# Altium PCB PowerModul.PcbDoc (part 2 of 2)
Units mm, origin at the board's own origin, x right, y up, seen from the top; angles counter-clockwise.
Board outline 99.76 x 99.76 mm, 4 copper layers (Top Layer, Layer 1, Layer 2, Bottom Layer), stack 0.603 mm thick; 119 components, 43 nets, 313 pads, 976 vias.
Unrouted connection lines stored in the file: 3.
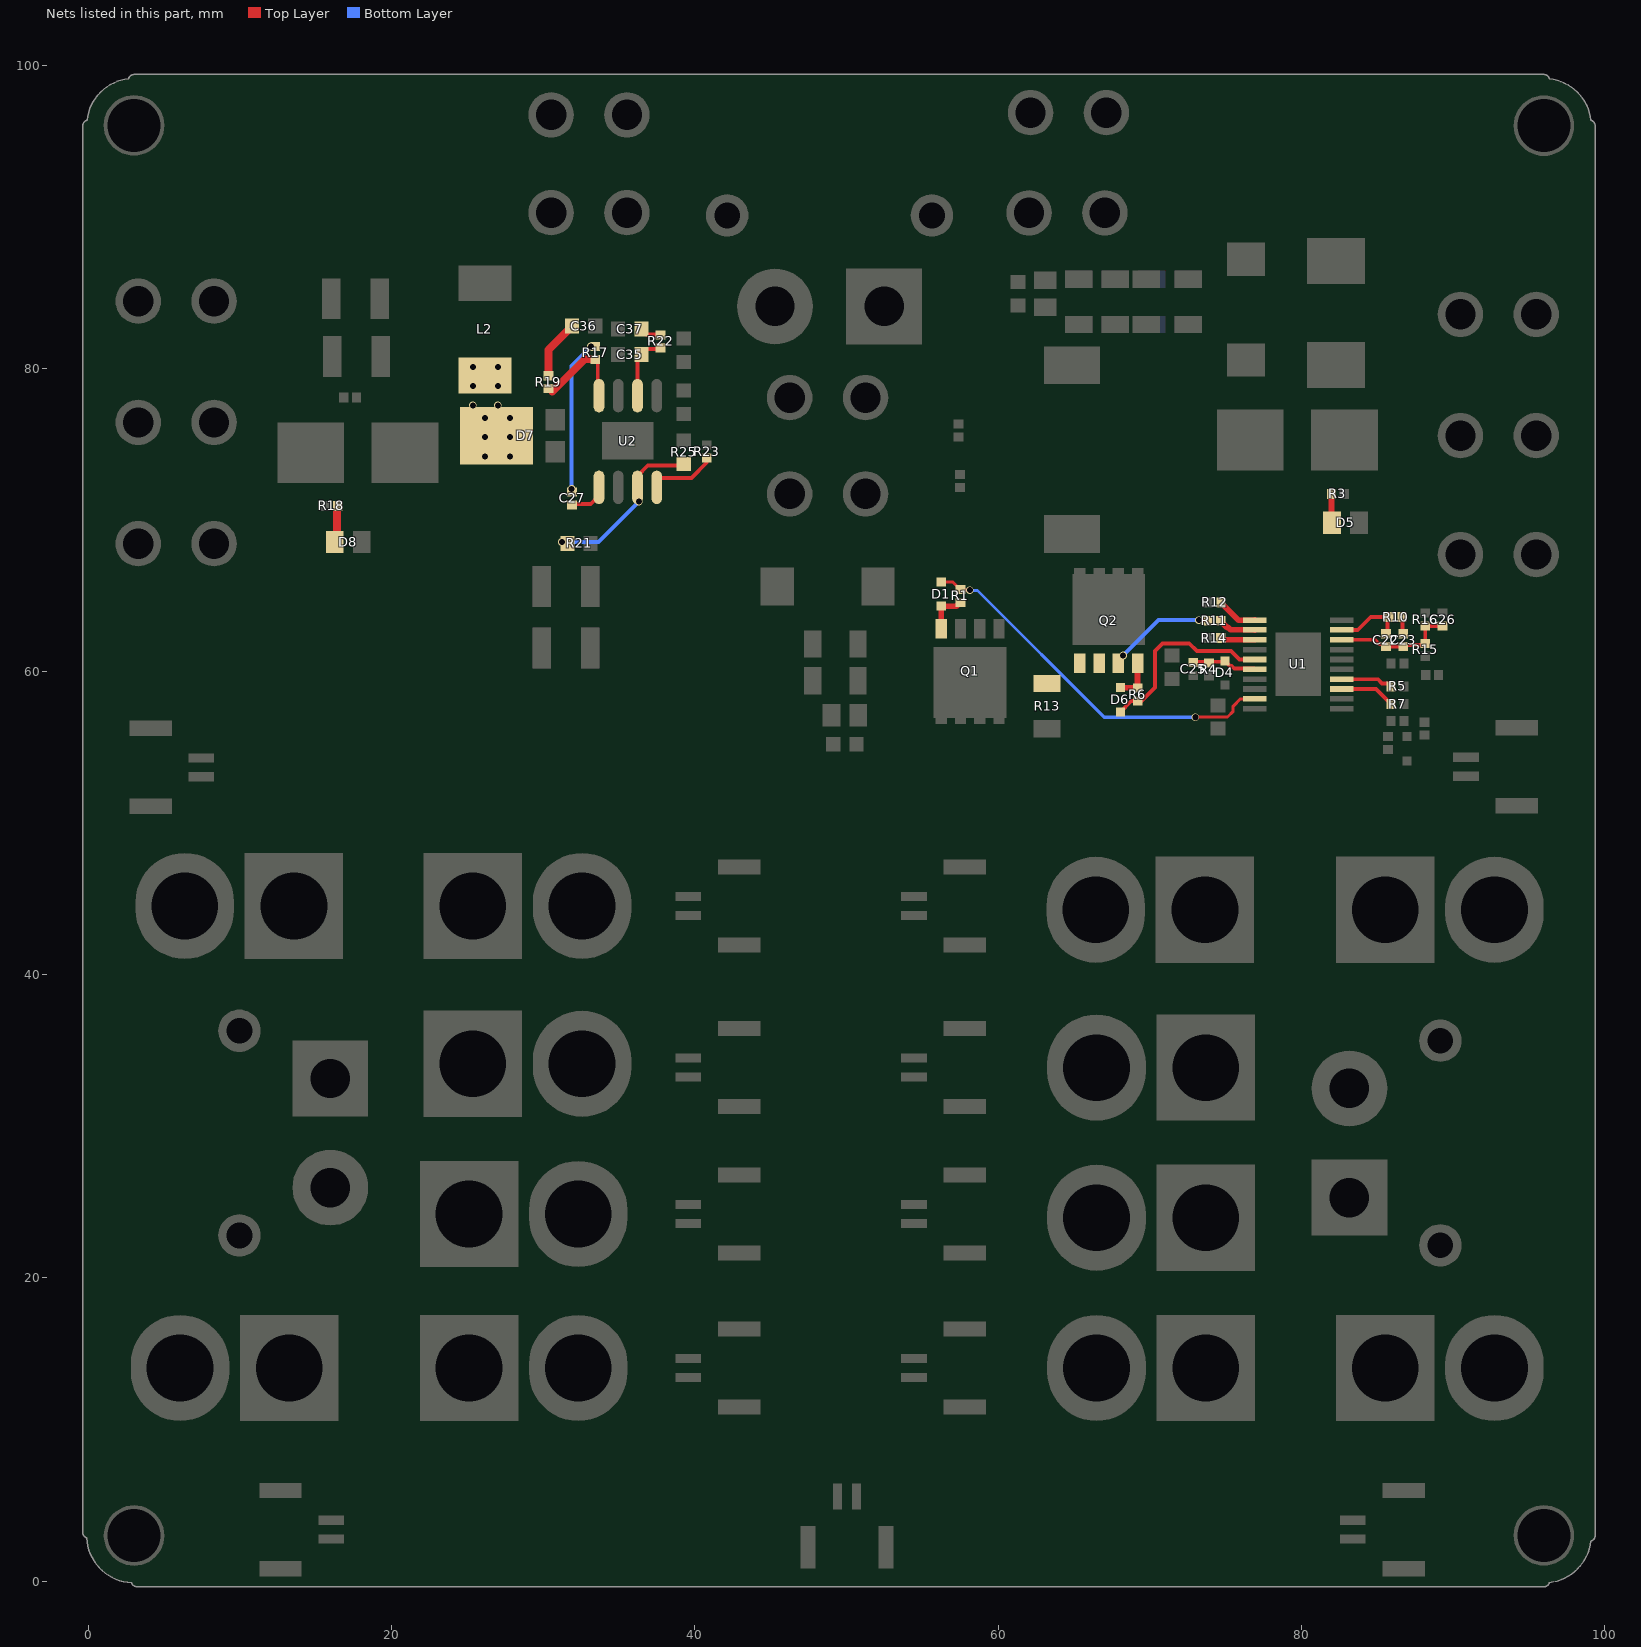
[diagram p4: the nets of this part, all layers, seen from the top]

## Via types
v1: diameter 0.5, hole 0.4, Top Layer to Bottom Layer, tented both sides, 976 vias

## Nets (pads, with @x,y where several pads share a name; then routed paths per layer and width w, separated by ;. In a path a pad name is that pad's centre, name@x,y a point inside that pad or via, vN(x,y) a via of type N, cw(c..) or ccw(c..) an arc to the next point about the centre after c; other vN are vias at no path point) (continued)
NetC22_1: C22.1 C23.1 C26.2 R15.2 R16.1 U1.8 | length 8.1
  Top Layer w0.254: U1.8@82.666,62.09 84.859,62.09 85.141,61.808 85.409,61.808 C22.1@85.582,61.635 C23.1@86.725,61.635 86.833,61.743 88.07,61.743 R15.2@88.178,61.85 R16.1@88.178,62.993 C26.2@89.321,62.993
NetC22_2: C22.2 R10.1 U1.9 | length 4.7
  Top Layer w0.254: U1.9@82.666,62.74 83.722,62.74 84.578,63.596 85.78,63.596 R10.1@85.792,63.584 85.687,63.479 85.687,62.59 C22.2@85.582,62.485
NetC23_2: C23.2 R10.2 | length 1.1
  Top Layer w0.254: R10.2@86.642,63.584 86.684,63.543 86.684,62.526 C23.2@86.725,62.485
NetC27_1: C27.1 R17.1 | length 9.9
  Bottom Layer w0.254: v1(31.861,72.045) 31.861,80.169 v1(33.131,81.439)
NetC27_2: C27.2 U2.1 | length 2.5
  Top Layer w0.254: C27.2@31.963,71.056 33.123,71.056 33.67,71.603 U2.1@33.67,72.147
NetC35_2: C35.2 R22.1 U2.6 | length 4.3
  Top Layer w0.254: U2.6@36.21,78.192 36.21,80.639 C35.2@36.472,80.901 36.472,80.926 36.81,81.264 37.643,81.264 R22.1@37.734,81.355
NetC36_2: C36.2 R19.2 | length 3.9
  Top Layer w0.508: R19.2@30.337,79.503 30.337,81.208 31.884,82.755 C36.2@31.884,82.78
NetC37_2: C37.2 R22.2 | length 1.4
  Top Layer w0.254: C37.2@36.472,82.586 36.472,82.561 36.81,82.223 37.716,82.223 R22.2@37.734,82.205
NetD1_1: D1.1 Q1.4 R1.1 | length 2.9
  Top Layer w0.381: Q1.4@56.245,62.822 D1.1@56.245,64.308 57.242,64.308 57.49,64.556 R1.1@57.515,64.556
NetD1_2: D1.2 R1.2 U1.19 | length 25.1
  Top Layer w0.203: D1.2@56.245,65.908 56.988,65.908 57.49,65.406 R1.2@57.515,65.406 57.537,65.384 58.111,65.384 v1(58.133,65.362) ; v1(73.009,56.98) 73.024,56.995 75.129,56.995 75.505,57.371 75.505,57.705 75.99,58.19 U1.19@76.926,58.19
  Bottom Layer w0.203: v1(58.133,65.362) 58.16,65.335 58.637,65.335 66.992,56.98 v1(73.009,56.98)
NetD5_A: D5.A R3.2 | length 1.9
  Top Layer w0.381: R3.2@81.982,71.712 81.982,69.85 D5.A@82.025,69.807
NetD6_1: D6.1 Q2.4 R6.1 | length 2.8
  Top Layer w0.381: D6.1@68.085,58.918 69.19,58.918 R6.1@69.199,58.909 ; Q2.4@69.199,60.536 R6.1@69.199,58.909 ; R6.1@69.209,58.899 R6.1@69.199,58.909
NetD6_2: D6.2 R6.2 U1.15 | length 12.6
  Top Layer w0.254: D6.2@68.066,57.337 68.778,58.049 R6.2@69.209,58.049 69.451,58.049 70.342,58.94 70.342,61.339 70.85,61.847 72.611,61.847 73.111,61.347 75.373,61.347 75.93,60.79 U1.15@76.926,60.79
NetD7_3: D7.3 L2.1 R17.2 R19.1 U2.8 | length 6.2
  Top Layer w0.254: R17.2@33.424,80.589 33.585,80.428 33.585,78.277 U2.8@33.67,78.192
  Top Layer w0.508: R19.1@30.591,78.443 32.737,80.589 R17.2@33.424,80.589
  other v1: 26.146,74.188 27.797,74.188 26.146,75.458 27.797,75.459 26.146,76.728 27.797,76.728 25.351,77.554 27.002,77.554 25.351,78.824 27.002,78.824 25.351,80.094 27.002,80.094
NetD8_A: D8.A R18.2 | length 5.6
  Top Layer w0.254: D8.A@16.245,68.537 16.245,68.228 16.015,67.998 D8.A@16.307,67.998 ; D8.A@16.44,68.738 R18.2@16.44,70.919
  Top Layer w0.508: D8.A@16.239,68.537 16.394,68.692 16.394,70.873 R18.2@16.44,70.919
NetQ2_1: Q2.1 Q2.2 Q2.3 R11.2 R13.1 | length 6.6
  Top Layer w0.254: v1(73.243,63.384) 73.262,63.364 73.814,63.364 R11.2@73.834,63.345
  Bottom Layer w0.254: v1(68.245,61.052) 70.577,63.384 v1(73.243,63.384)
NetR5_1: R5.1 U1.4 | length 3.5
  Top Layer w0.254: U1.4@82.666,59.49 85.037,59.49 85.317,59.21 85.746,59.21 85.919,59.037 R5.1@85.919,59.012
NetR7_2: R7.2 U1.3 | length 3.7
  Top Layer w0.254: U1.3@82.666,58.84 84.924,58.84 85.721,58.043 85.746,58.043 85.919,57.87 R7.2@85.919,57.845
NetR11_1: R11.1 U1.12 | length 2.5
  Top Layer w0.381: R11.1@74.684,63.345 74.684,63.32 75.083,62.921 75.147,62.921 75.321,62.746 76.919,62.746 U1.12@76.926,62.74
NetR12_2: R12.2 U1.11 | length 2.7
  Top Layer w0.381: R12.2@74.704,64.556 74.704,64.531 75.851,63.384 76.919,63.384 U1.11@76.926,63.39
NetR14_1: R14.1 U1.13 | length 2.3
  Top Layer w0.381: R14.1@74.684,62.202 74.789,62.096 76.919,62.096 U1.13@76.926,62.09
NetR21_1: R21.1 R25.2 U2.3 | length 9.6
  Top Layer w0.254: U2.3@36.21,72.897 36.89,73.577 39.147,73.577 R25.2@39.258,73.688
  Bottom Layer w0.254: v1(31.226,68.537) 33.639,68.537 v1(36.306,71.204)
NetR23_2: R23.2 U2.4 | length 4.5
  Top Layer w0.254: U2.4@37.48,72.147 37.48,72.564 37.686,72.77 39.761,72.77 40.782,73.79 R23.2@40.782,74.077
VCC: C25.2 D4.1 R4.2 U1.16 | length 4.3
  Top Layer w0.254: C25.2@72.874,60.58 72.934,60.64 74.892,60.64 D4.1@74.952,60.701 75.295,60.358 75.408,60.358 75.578,60.188 76.877,60.188 U1.16@76.926,60.14
pads on no net: H13.3 H13.4 H14.3 H14.4 H15.3 H15.4 H16.3 H16.4 H17.3 H17.4 H18.3 H18.4 H25.3 H25.4 H26.3 H26.4 H27.3 H27.4 H28.3 H28.4 H29.3 H29.4 H30.3 H30.4 H31.3 H31.4 H38.0 H39.0 H40.0

## Polygon pours and split planes (outlines as drawn)
GND1 on Top Layer "Top Layer-GND1" (solid, remove dead copper, pour order 162): 62.138,48.087 62.138,9.66 99.298,9.66 99.298,48.217
GND2 on Top Layer "Top Layer-GND2" (solid, remove dead copper, pour order 160): -0.622,48.725 36.854,48.725 36.854,8.466 -0.698,8.466
GND on Top Layer "Top Layer-GND 14" (solid, remove dead copper, pour order 156): 60.563,49.233 62.364,54.059 62.409,54.104 67.294,54.104 67.294,56.253 81.855,56.253 84.442,58.84 99.679,58.84 99.679,99.525 99.044,100.16 -0.778,100.16 -0.778,64.556 23.86,64.556 23.86,57.488 29.194,52.154 40.936,52.154 43.746,49.233
GND on Top Layer "Top Layer-GND 9" (solid, remove dead copper, pour order 154): 34.614,76.299 34.614,82.126 32.974,82.126 32.877,82.223 32.877,83.396 35.544,83.396 35.671,83.269 35.671,76.157
GND on Top Layer "Top Layer-GND 10" (solid, remove dead copper, pour order 152): 14.716,77.236 14.732,77.252 17.129,77.252 17.129,87.085 15.611,87.085 12.303,87.085 12.303,78.445
GND on Top Layer "Top Layer-GND 11" (solid, remove dead copper, pour order 150): 26.599,67.394 20.177,67.394 19.415,68.156 19.415,69.426 17.689,69.426 17.51,69.247 17.51,66.472 18.874,65.108 26.599,65.108
GND on Top Layer "Top Layer-GND 12" (solid, remove dead copper, pour order 144): 60.817,86.952 60.817,85.301 61.07,85.048 84.249,85.048 84.947,85.746 84.947,88.73 71.612,88.73 69.834,86.952
GND on Top Layer "Top Layer-GND 13" (solid, remove dead copper, pour order 142): 56.626,77.173 56.626,76.03 58.404,76.03 58.404,77.173
+24_1 on Top Layer "Top Layer-+24_1" (solid, remove dead copper, pour order 140): 69.58,47.582 69.58,9.863 69.707,9.736 89.773,9.736 89.773,46.756 88.567,47.963 69.624,47.963
+24_2 on Top Layer "Top Layer-+24_2" (solid, remove dead copper, pour order 138): 10.271,21.903 19.415,21.903 19.415,30.564 10.271,30.564 10.271,49.36 29.575,49.36 29.829,49.614 29.829,9.863 27.416,7.45 10.271,7.45
+5F on Top Layer "Top Layer-+5F" (solid, remove dead copper, pour order 136): 16.831,76.538 16.45,76.919 12.049,76.919 12.049,86.622 11.846,86.825 4.048,86.825 4.048,69.302 5.826,65.606 6.09,65.87 15.097,65.87 15.097,70.442 15.859,70.442 15.859,71.966 16.233,71.966 16.831,72.564
+5 on Top Layer "Top Layer-+5" (solid, remove dead copper, pour order 134): 17.383,71.902 17.383,87.714 19.542,89.873 27.035,89.873 27.924,88.984 27.924,84.412 24.51,84.412 24.368,84.554 24.368,86.19 22.803,86.19 22.844,86.149 22.844,77.3 23.479,76.665 23.479,71.902 17.604,71.902 17.541,71.839
no net on Top Layer "Top Layer-No Net" (solid, remove dead copper, pour order 132): 192.541,96.56
no net on Top Layer "Top Layer-No Net 10" (solid, remove dead copper, pour order 130): 192.922,96.623
NetD7_3 on Top Layer "Top Layer-NetD7_3" (solid, remove dead copper, pour order 128): 29.321,77.808 29.448,77.935 31.099,77.935 31.099,78.951 30.972,79.078 28.813,79.078
NetD7_3 on Top Layer "Top Layer-NetD7_3 1" (solid, remove dead copper, pour order 126): 24.145,73.145 24.145,80.633 24.241,80.729 27.924,80.729 27.924,79.078 28.813,79.078 29.321,78.57 29.321,73.145
GND on Top Layer "Top Layer-GND" (solid, remove dead copper, pour order 124): 30.21,73.79 30.083,73.917 30.083,77.3 32.639,77.3 33.512,76.427 34.147,76.427 34.147,73.998 34.02,73.871 30.21,73.871
GND on Top Layer "Top Layer-GND 2" (solid, remove dead copper, pour order 122): 31.48,66.886 30.972,67.394 26.527,67.394 26.4,67.267 26.4,57.383 31.48,57.383
+24 on Top Layer "Top Layer-+24" (solid, remove dead copper, pour order 120): 34.274,70.823 34.274,72.982 34.528,73.236 35.575,73.236 35.575,70.95 37.188,69.337 37.957,69.337 37.957,57.234 32.318,57.234 32.318,68.867
+24 on Top Layer "Top Layer-+24 1" (solid, remove dead copper, pour order 118): 50.022,81.554 50.022,89.939 58.647,100.16 50.276,100.16 65.135,100.16 65.135,88.349 64.5,87.714 61.198,87.714 55.102,81.618
GND on Top Layer "Top Layer-GND 4" (solid, remove dead copper, pour order 116): 86.471,60.917 87.36,60.917 87.36,61.347 89.469,61.347 89.646,61.17 89.646,59.393 88.876,59.393 88.757,59.512 88.757,60.358 87.538,60.358 87.487,60.409 87.218,60.14 86.471,60.14
GND on Top Layer "Top Layer-GND 5" (solid, remove dead copper, pour order 114): 86.471,58.19 86.471,56.345 88.503,56.345 88.63,56.472 88.63,57.759 88.167,58.222 88.135,58.19
GND on Top Layer "Top Layer-GND 6" (solid, remove dead copper, pour order 112): 43.212,56.853 45.679,56.853 48.092,54.44 49.514,54.44 49.514,86.571 43.212,86.571
GND on Top Layer "Top Layer-GND 7" (solid, remove dead copper, pour order 110): 62.214,57.337 66.669,57.337 66.669,55.329 62.214,55.329
+12F on Top Layer "Top Layer-+12F" (solid, remove dead copper, pour order 108): 80.629,77.427 80.629,73.236 81.391,73.236 82.534,72.093 82.534,70.985 84.277,70.985 84.952,70.31 84.952,64.727 93.075,64.727 93.329,64.981 93.329,85.936 85.962,85.936 85.074,85.048 85.074,77.427
+12 on Top Layer "Top Layer-+12" (solid, remove dead copper, pour order 106): 71.231,80.856 71.231,72.982 74.279,72.982 79.105,72.982 79.105,78.633 79.169,78.697 84.185,78.697 84.185,83.523 83.042,84.666 60.69,84.666 60.69,81.618 62.945,81.618 63.072,81.491 62.976,81.395 62.976,78.951 66.786,78.951 66.659,79.078 66.659,81.11 70.977,81.11
GND on Top Layer "Top Layer-GND 8" (solid, remove dead copper, pour order 104): 70.723,60.028 73.255,60.028 73.255,58.377 70.723,58.377
NetQ2_1 on Top Layer "Top Layer-NetQ2_1" (solid, remove dead copper, pour order 102): 61.205,57.869 65.933,57.869 67.675,59.662 68.437,59.662 68.437,61.298 64.373,61.298 63.992,61.679 61.205,61.679
NetC1_2 on Top Layer "Top Layer-NetC1_2" (solid, remove dead copper, pour order 100): 64.881,62.187 64.881,61.727 64.929,61.679 69.834,61.679 69.834,62.187 69.834,67.648 69.707,67.775 66.786,67.775 66.786,70.315 63.072,70.315 63.072,67.906 62.814,67.648 59.801,67.648 59.547,67.394 59.547,63.965 59.166,63.584 57.134,63.584 57.134,62.187
+24 on Top Layer "Top Layer-+24 2" (solid, remove dead copper, pour order 96): 49.895,86.444 49.895,54.948 50.149,54.694 53.984,54.694 55.737,56.447 60.528,56.447 60.563,56.412 60.69,56.539 60.69,61.552 55.737,61.552 55.737,86.444
no net on Top Layer "Top Layer-No Net 11" (solid, remove dead copper, pour order 92): 224.895,111.165
no net on Top Layer "Top Layer-No Net 12" (solid, remove dead copper, pour order 90): 225.149,79.415
GND on Top Layer "Top Layer-GND 1" (solid, remove dead copper, pour order 74): 78.399,63.596 81.32,63.596 81.32,56.782 78.399,56.782
no net on Top Layer "Top Layer-No Net 1" (solid, remove dead copper, pour order 72): 253.272,87.281
no net on Top Layer "Top Layer-No Net 3" (solid, remove dead copper, pour order 52): 253.272,87.281
no net on Top Layer "Top Layer-No Net 2" (solid, remove dead copper, pour order 58): 261.4,85.059
GND on Top Layer "Top Layer-GND 3" (solid, remove dead copper, pour order 50): 37.254,76.49 38.75,77.506 41.036,77.506 41.29,77.252 41.29,74.656 39.837,74.656 38.49,74.656 37.289,73.95
no net on Top Layer "Top Layer-No Net 4" (solid, remove dead copper, pour order 46): 210.575,103.243
no net on Top Layer "Top Layer-No Net 5" (solid, remove dead copper, pour order 44): 207.781,111.371
no net on Top Layer "Top Layer-No Net 6" (solid, remove dead copper, pour order 42): 210.448,101.211
no net on Top Layer "Top Layer-No Net 7" (solid, remove dead copper, pour order 32): 199.145,96.766
no net on Top Layer "Top Layer-No Net 8" (solid, remove dead copper, pour order 6): 235.69,86.273
no net on Top Layer "Top Layer-No Net 9" (solid, remove dead copper, pour order 4): 235.944,86.4
GND2 on Bottom Layer "Bottom Layer-GND2" (solid, remove dead copper, pour order 166): -0.778,48.725 -0.397,49.106 32.75,49.106 37.576,44.28 37.068,43.772 37.068,-0.043 -0.651,-0.043 -0.778,0.084
GND1 on Bottom Layer "Bottom Layer-GND1" (solid, remove dead copper, pour order 164): 99.298,48.471 99.044,48.217 62.595,48.217 62.595,0.465 62.341,0.211 62.722,-0.17 99.806,-0.17 99.806,47.074 98.917,47.963
GND on Bottom Layer "Bottom Layer-GND" (solid, remove dead copper, pour order 158): -0.651,99.906 -0.651,52.916 99.552,52.916 99.933,52.535 99.933,100.033 -0.397,100.033
+12 on Layer 1 (split plane): 95.939,98.818 96.002,98.741 96.079,98.678 96.168,98.63 96.263,98.601 96.304,98.597 96.304,98.595 96.457,98.575 96.68,98.526 96.897,98.457 97.108,98.37 97.311,98.264 97.503,98.142 97.684,98.003 97.853,97.848 98.007,97.68 98.146,97.499 98.269,97.306 98.374,97.104 98.462,96.893 98.53,96.675 98.58,96.452 98.599,96.302 98.601,96.303 98.605,96.262 98.634,96.167 98.682,96.078 98.745,96.001 98.823,95.937 98.871,95.912 98.871,92.542 85.284,92.542 85.209,92.534 85.137,92.513 85.071,92.477 85.013,92.43 84.966,92.372 84.93,92.306 84.909,92.234 84.901,92.159 84.901,78.064 80.786,78.064 80.711,78.056 80.639,78.035 80.573,77.999 80.515,77.952 80.468,77.894 80.432,77.828 80.41,77.756 80.403,77.681 80.403,53.172 71.614,53.172 71.614,67.585 71.659,67.638 71.695,67.704 71.717,67.776 71.726,67.85 71.719,67.925 71.698,67.997 71.663,68.064 71.616,68.122 71.614,68.124 71.614,81.979 71.61,82.015 71.607,82.051 71.607,82.052 71.606,82.053 71.596,82.088 71.586,82.123 71.585,82.124 71.585,82.125 71.568,82.157 71.551,82.189 71.55,82.19 71.549,82.191 71.526,82.22 71.503,82.248 71.502,82.249 71.474,82.272 71.446,82.296 71.445,82.296 71.444,82.297 71.412,82.314 71.38,82.331 71.379,82.332 71.378,82.332 71.343,82.343 71.308,82.354 71.307,82.354 71.306,82.354 71.27,82.358 71.233,82.361 65.518,82.399 65.518,98.871 95.911,98.871
NetC1_2 on Layer 1 (split plane): 66.53,67.902 66.534,67.867 66.537,67.831 66.537,67.829 66.538,67.827 66.548,67.793 66.558,67.759 66.559,67.757 66.559,67.755 66.576,67.724 66.592,67.693 66.594,67.691 66.595,67.689 66.617,67.662 66.639,67.634 66.641,67.633 66.642,67.631 66.67,67.609 66.697,67.586 66.699,67.585 66.7,67.584 66.732,67.567 66.763,67.55 66.765,67.549 66.766,67.548 66.8,67.538 66.834,67.527 66.836,67.527 66.838,67.527 66.874,67.523 66.909,67.519 70.848,67.477 70.848,62.181 65.345,62.069 65.336,62.211 65.332,62.236 65.33,62.262 65.326,62.273 65.324,62.285 65.315,62.309 65.308,62.334 65.302,62.344 65.298,62.355 65.285,62.377 65.273,62.4 65.265,62.409 65.259,62.419 65.241,62.438 65.225,62.458 65.216,62.465 65.208,62.474 65.187,62.489 65.167,62.505 65.156,62.511 65.147,62.518 65.123,62.529 65.101,62.541 65.089,62.544 65.078,62.549 65.053,62.555 65.029,62.562 65.017,62.564 65.005,62.566 64.98,62.567 64.954,62.57 59.66,62.57 59.638,67.329 62.814,67.329 62.889,67.336 62.961,67.358 63.027,67.393 63.085,67.441 63.132,67.499 63.168,67.565 63.19,67.637 63.197,67.711 63.197,69.932 66.53,69.932
no net on Layer 1 (split plane): 65.058,81.643 65.059,81.643 65.06,81.643 65.096,81.639 65.132,81.636 70.848,81.598 70.848,81.579 66.811,81.579 66.732,81.499 66.732,78.756 63.089,78.756 62.962,78.629 62.886,78.705 62.886,81.654 65.025,81.654
+12F on Layer 1 (split plane): 98.871,53.204 95.405,53.187 92.312,53.172 81.169,53.172 81.169,77.298 85.284,77.298 85.359,77.306 85.43,77.327 85.497,77.363 85.555,77.41 85.602,77.468 85.638,77.534 85.659,77.606 85.667,77.681 85.667,91.776 98.871,91.776
+24_1 on Layer 1 (split plane): 98.871,3.085 98.818,3.057 98.741,2.993 98.677,2.916 98.63,2.828 98.601,2.732 98.597,2.692 98.595,2.692 98.575,2.543 98.526,2.32 98.457,2.103 98.37,1.892 98.264,1.689 98.142,1.497 98.003,1.316 97.848,1.147 97.68,0.993 97.499,0.854 97.306,0.731 97.104,0.626 96.893,0.538 96.675,0.47 96.452,0.42 96.306,0.401 96.307,0.399 96.267,0.395 96.171,0.366 96.083,0.319 96.006,0.255 95.942,0.178 95.916,0.129 62.214,0.129 62.214,12.939 62.591,52.406 80.586,52.406 80.607,52.395 80.639,52.378 80.64,52.378 80.641,52.377 80.676,52.367 80.711,52.356 80.712,52.356 80.713,52.356 80.749,52.352 80.786,52.349 80.787,52.349 80.788,52.349 89.509,52.392 92.314,52.406 98.871,52.406
GND on Layer 1 (split plane): 64.604,61.655 64.609,61.626 64.612,61.597 64.615,61.589 64.616,61.581 64.626,61.553 64.636,61.525 64.64,61.518 64.642,61.511 64.658,61.486 64.672,61.46 64.678,61.454 64.682,61.447 64.702,61.425 64.721,61.403 64.727,61.398 64.733,61.392 64.757,61.375 64.78,61.356 64.787,61.353 64.794,61.348 64.821,61.336 64.847,61.322 64.855,61.32 64.862,61.317 64.891,61.31 64.919,61.302 64.927,61.301 64.935,61.3 64.965,61.299 64.994,61.296 70.848,61.415 70.848,53.172 62.573,53.172 62.569,53.186 62.534,53.253 62.487,53.311 62.43,53.359 62.364,53.395 62.292,53.418 62.218,53.426 62.143,53.419 62.071,53.398 62.004,53.363 61.946,53.316 61.898,53.259 61.862,53.193 61.855,53.172 60.823,53.172 60.749,53.164 60.677,53.143 60.611,53.107 60.553,53.06 60.539,53.043 59.702,53.043 59.663,61.804 64.595,61.804
+5 on Layer 1 (split plane): 26.709,84.6 23.105,84.6 23.07,84.597 23.035,84.594 23.032,84.593 23.03,84.593 22.996,84.583 22.963,84.573 22.96,84.572 22.958,84.571 22.927,84.554 22.896,84.538 22.894,84.537 22.892,84.536 22.865,84.513 22.837,84.491 22.836,84.49 22.834,84.488 22.812,84.461 22.789,84.434 22.788,84.432 22.786,84.43 22.77,84.399 22.753,84.368 22.752,84.366 22.751,84.364 22.741,84.33 22.73,84.297 22.73,84.294 22.729,84.292 22.726,84.257 22.722,84.222 22.676,80.717 22.677,80.707 22.676,80.698 22.68,80.67 22.682,80.642 22.685,80.633 22.686,80.623 22.695,80.597 22.703,80.57 22.708,80.562 22.711,80.553 22.725,80.528 22.738,80.503 22.744,80.496 22.749,80.488 22.767,80.467 22.785,80.445 22.792,80.439 22.798,80.431 22.821,80.415 22.842,80.396 22.85,80.392 22.858,80.386 22.883,80.374 22.908,80.36 22.917,80.357 22.925,80.353 22.953,80.346 22.979,80.338 22.989,80.336 22.998,80.334 23.026,80.332 23.054,80.329 23.063,80.33 23.073,80.329 26.691,80.463 26.652,71.714 26.652,71.713 26.652,71.712 26.656,71.676 26.659,71.639 26.659,71.638 26.66,71.637 26.67,71.602 26.681,71.567 26.681,71.566 26.681,71.565 26.699,71.533 26.716,71.501 26.716,71.5 26.717,71.499 26.74,71.471 26.763,71.442 26.764,71.442 26.764,71.441 26.793,71.418 26.821,71.395 26.822,71.394 26.855,71.376 26.887,71.359 26.888,71.359 26.888,71.358 26.924,71.348 26.959,71.337 26.96,71.337 26.997,71.333 27.033,71.329 27.034,71.329 27.035,71.329 31.732,71.329 31.732,53.176 18.146,53.296 18.023,98.871 26.772,98.871
no net on Layer 1 (split plane): 59.574,81.64 59.574,81.654 60.769,81.654
+5F on Layer 1 (split plane): 17.38,53.297 0.129,53.227 0.129,95.911 0.182,95.939 0.259,96.002 0.322,96.079 0.37,96.168 0.399,96.263 0.403,96.304 0.405,96.304 0.425,96.457 0.474,96.68 0.543,96.897 0.63,97.108 0.736,97.311 0.858,97.503 0.997,97.684 1.152,97.853 1.32,98.007 1.501,98.146 1.694,98.269 1.896,98.374 2.107,98.461 2.325,98.53 2.548,98.58 2.698,98.599 2.697,98.601 2.738,98.605 2.833,98.634 2.922,98.682 2.999,98.745 3.063,98.822 3.088,98.871 17.257,98.871
+24 on Layer 1 (split plane): 64.752,82.419 59.19,82.419 59.189,82.419 59.188,82.419 59.151,82.415 59.115,82.412 59.114,82.412 59.113,82.412 59.078,82.401 59.043,82.39 59.042,82.39 59.041,82.389 59.009,82.372 58.977,82.355 58.976,82.354 58.975,82.354 58.947,82.33 58.919,82.307 58.918,82.306 58.895,82.277 58.871,82.249 58.871,82.248 58.87,82.248 58.853,82.215 58.836,82.183 58.836,82.182 58.835,82.181 58.825,82.146 58.814,82.111 58.814,82.11 58.814,82.109 58.81,82.073 58.807,82.036 58.807,82.035 58.936,53.172 32.498,53.172 32.498,71.712 32.49,71.787 32.469,71.859 32.433,71.925 32.386,71.983 32.328,72.03 32.262,72.066 32.19,72.087 32.115,72.095 27.42,72.095 27.449,78.772 29.549,78.704 29.557,78.704 29.565,78.704 29.594,78.707 29.624,78.709 29.632,78.711 29.64,78.712 29.668,78.721 29.696,78.728 29.704,78.732 29.712,78.734 29.737,78.748 29.763,78.761 29.77,78.766 29.777,78.77 29.8,78.789 29.823,78.807 29.828,78.813 29.835,78.819 29.853,78.841 29.872,78.863 29.877,78.871 29.882,78.877 29.895,78.903 29.91,78.928 29.913,78.936 29.916,78.944 29.925,78.972 29.934,79 29.935,79.008 29.937,79.016 29.94,79.045 29.944,79.074 29.943,79.082 29.944,79.091 29.868,86.076 29.864,86.111 29.86,86.146 29.86,86.148 29.86,86.15 29.849,86.184 29.839,86.218 29.838,86.22 29.837,86.222 29.82,86.253 29.803,86.284 29.802,86.286 29.801,86.288 29.778,86.315 29.756,86.342 29.754,86.343 29.753,86.345 29.725,86.367 29.698,86.39 29.696,86.391 29.694,86.392 29.663,86.408 29.632,86.425 29.63,86.426 29.628,86.427 29.594,86.437 29.56,86.447 29.558,86.447 29.556,86.448 29.52,86.451 29.485,86.454 27.483,86.454 27.538,98.871 64.752,98.871
+24_2 on Layer 1 (split plane): 32.103,52.407 32.115,52.406 36.941,52.406 36.941,13.264 36.815,0.129 3.281,0.129 3.262,0.165 3.199,0.242 3.122,0.306 3.033,0.353 2.938,0.382 2.864,0.389 2.864,0.391 2.77,0.395 2.543,0.425 2.32,0.474 2.103,0.543 1.892,0.63 1.689,0.736 1.497,0.858 1.316,0.997 1.147,1.152 0.993,1.32 0.854,1.501 0.731,1.694 0.626,1.896 0.539,2.107 0.47,2.325 0.42,2.548 0.391,2.774 0.387,2.866 0.385,2.866 0.378,2.939 0.348,3.035 0.301,3.123 0.238,3.2 0.16,3.264 0.129,3.281 0.129,52.461 17.763,52.533
no net on Layer 2 (split plane): 60.688,49.71 60.688,0.129 37.578,0.129 37.578,49.769
GND1 on Layer 2 (split plane): 98.871,49.614 98.871,3.085 98.818,3.057 98.741,2.993 98.677,2.916 98.63,2.828 98.601,2.732 98.597,2.692 98.595,2.692 98.575,2.543 98.526,2.32 98.457,2.103 98.37,1.892 98.264,1.689 98.142,1.497 98.003,1.316 97.848,1.147 97.68,0.993 97.499,0.854 97.306,0.731 97.104,0.626 96.893,0.538 96.675,0.47 96.452,0.42 96.306,0.401 96.307,0.399 96.267,0.395 96.171,0.366 96.083,0.319 96.006,0.255 95.942,0.178 95.916,0.129 61.454,0.129 61.454,49.708
GND on Layer 2 (split plane): 95.939,98.818 96.002,98.741 96.079,98.678 96.168,98.63 96.263,98.601 96.304,98.597 96.304,98.595 96.457,98.575 96.68,98.526 96.897,98.457 97.108,98.37 97.311,98.264 97.503,98.142 97.684,98.003 97.853,97.848 98.007,97.68 98.146,97.499 98.269,97.306 98.374,97.104 98.462,96.893 98.53,96.675 98.58,96.452 98.599,96.302 98.601,96.303 98.605,96.262 98.634,96.167 98.682,96.078 98.745,96.001 98.823,95.937 98.871,95.912 98.871,50.379 61.296,50.474 61.284,50.484 61.218,50.52 61.146,50.541 61.071,50.549 60.996,50.541 60.924,50.52 60.858,50.484 60.848,50.476 0.129,50.63 0.129,95.911 0.182,95.939 0.259,96.002 0.322,96.079 0.37,96.168 0.399,96.263 0.403,96.304 0.405,96.304 0.425,96.457 0.474,96.68 0.543,96.897 0.63,97.108 0.736,97.311 0.858,97.503 0.997,97.684 1.152,97.853 1.32,98.007 1.501,98.146 1.694,98.269 1.896,98.374 2.107,98.461 2.325,98.53 2.548,98.58 2.698,98.599 2.697,98.601 2.738,98.605 2.833,98.634 2.922,98.682 2.999,98.745 3.063,98.822 3.088,98.871 95.911,98.871
GND2 on Layer 2 (split plane): 36.812,49.771 36.812,0.129 3.281,0.129 3.262,0.165 3.199,0.242 3.122,0.306 3.033,0.353 2.938,0.382 2.864,0.389 2.864,0.391 2.77,0.395 2.543,0.425 2.32,0.474 2.103,0.543 1.892,0.63 1.689,0.736 1.497,0.858 1.316,0.997 1.147,1.152 0.993,1.32 0.854,1.501 0.731,1.694 0.626,1.896 0.539,2.107 0.47,2.325 0.42,2.548 0.391,2.774 0.387,2.866 0.385,2.866 0.378,2.939 0.348,3.035 0.301,3.123 0.238,3.2 0.16,3.264 0.129,3.281 0.129,49.864

## Other copper
Top Layer:
  pour cut-out: 77.054,56.48
  pour cut-out: 75.713,56.24 75.726,56.253 80.903,56.253 81.717,57.067 81.632,57.153 76.418,57.153 75.736,56.471
  pour cut-out: 73.757,58.669 73.757,58.938 73.706,58.989 73.704,58.987 72.874,58.987 72.874,58.634 72.919,58.589
  pour cut-out: 68.569,56.834 68.594,56.809 71.497,56.809 72.066,56.24 73.656,56.24 73.656,57.786 74.303,58.433 74.303,58.677 70.543,58.677 69.439,57.573 68.576,57.573
  pour cut-out: 89.773,28.246 80.652,28.246 80.652,37.168 89.82,37.168
  pour cut-out: 23.626,71.756 23.689,71.693 24.01,71.693 24.01,78.857 23.926,78.942 22.971,78.942 22.971,77.253 23.686,76.538 23.686,71.839 23.67,71.823
  pour cut-out: 55.853,63.791 59.08,63.791 59.34,64.051 59.34,66.846 58.411,68.758 58.411,70.729 58.411,76.919 60.483,78.991 60.483,86.181 60.055,86.609 55.944,82.498 55.944,63.883
  pour cut-out: 82.661,63.873 82.938,63.596 84.947,63.596 84.947,67.807 84.598,68.156 83.456,68.156 82.534,69.078 82.534,72.093 82.241,72.093 81.305,73.029 77.285,73.029 76.946,72.689 76.946,69.252 77.161,69.252 82.636,63.777
  pour cut-out: 84.256,83.847 84.924,83.847 84.924,81.745 84.256,81.745
  pour cut-out: 22.844,86.149 22.971,86.022 22.971,78.942 23.926,78.942 24.095,79.111 24.095,80.875 28.071,80.875 28.07,80.875 28.07,79.205 29.328,79.205 29.397,79.274 29.321,79.35 29.321,86.063 28.382,86.063 28.131,86.313 28.099,86.281 28.099,84.308 24.284,84.308 24.193,84.217 24.161,84.249 24.161,85.983 22.898,85.983 22.844,86.037
  pour cut-out: 58.544,81.554 58.404,81.415 58.404,67.982 62.48,67.982 62.814,67.648 62.828,67.662 62.828,70.521 66.58,70.521 66.993,70.108 66.993,67.982 70.819,67.982 71.024,67.777 71.104,67.857 71.104,81.395 66.786,81.395 66.786,78.951 63.034,78.951 62.828,78.745 62.769,78.804 62.769,81.395 58.735,81.395 58.658,81.471
  region: -0.778,64.531
Bottom Layer:
  pour cut-out: 58.423,67.648 58.423,81.207 71.231,81.207 71.231,67.648
  pour cut-out: 17.764,86.115 17.764,72.982 29.448,72.982 29.448,86.115
  region: -0.524,65.743
  region net +24: 38.143,57.234 32.424,57.234 32.424,67.14 32.551,67.267 38.02,67.267
  region net GND: 26.4,57.488 31.48,57.488 31.48,67.157 26.4,67.157
Layer 1 (plane layer: these items are gaps in the copper):
  region: 62.214,-0.17 62.214,53.043 37.322,53.043 37.322,-0.17
  region: 62.214,52.662 62.214,53.043 37.195,53.043 37.195,52.662
  region: 37.703,-0.17 37.703,52.789 36.941,52.789 36.941,-0.17
  region: 23.105,84.217 27.109,84.217 27.159,84.166 27.326,84.333 27.326,86.071 29.485,86.071 29.561,85.995 29.561,79.086 27.286,79.086 27.174,78.974 27.174,80.864 23.352,80.864 23.105,81.111
  region: 64.821,76.75
  region: 59.191,81.636 59.381,81.446 59.381,67.885 62.641,67.885 62.814,67.711 62.814,70.315 66.913,70.315 66.913,67.902 71.295,67.902 71.231,67.966 71.231,81.579 66.811,81.579 66.732,81.499 66.732,78.756 63.089,78.756 62.962,78.629 62.886,78.705 62.886,81.677
  lines w0.762: -0.778,52.84 17.764,52.916 ; 17.637,100.033 17.764,52.916 ; 26.821,84.217 23.105,84.217 23.059,80.712 27.174,80.864 ; 27.159,99.838 27.035,71.712 32.115,71.712 32.115,52.789 59.321,52.789 59.19,82.036 65.135,82.036 ; 27.224,79.163 29.561,79.086 29.485,86.071 27.326,86.071 ; 32.242,52.789 17.764,52.916 ; 37.195,-0.17 37.703,52.789 ; 59.381,62.187 64.954,62.187 64.986,61.679 71.231,61.806 ; 59.559,67.711 62.814,67.711 62.814,70.315 66.913,70.315 66.913,67.902 71.343,67.854 ; 60.823,52.789 99.679,52.789 ; 61.706,-0.17 62.214,53.043 ; 65.135,100.211 65.135,82.018 71.231,81.979 71.231,52.789 ; 74.152,100.033 84.82,100.033 ; 99.552,53.424 99.555,52.92 99.46,52.825 95.407,52.804 89.507,52.775 80.786,52.732 80.786,77.681 85.284,77.681 85.284,92.159 99.679,92.159
Layer 2 (plane layer: these items are gaps in the copper):
  region: 22.805,86.122 22.805,79.163 22.83,79.137 24.176,79.137 24.176,80.687 28.088,80.687 28.088,79.163 28.113,79.137 29.485,79.137 29.485,86.021 29.409,86.097 28.113,86.097 28.113,84.621 28.136,84.598 27.958,84.42 24.354,84.42 24.354,86.097 24.329,86.122
  region: 58.593,67.733 58.644,67.682 62.556,67.682 62.556,70.298 62.505,70.349 67.077,70.349 67.077,67.758 67.102,67.733 71.065,67.733 71.065,81.232 71.231,81.398 71.19,81.439 67.077,81.439 67.077,78.636 67.338,78.375 67.28,78.317 62.759,78.317 62.759,81.288 62.835,81.364 62.801,81.398 58.72,81.398
  region: 59.66,79.772
  lines w0.762: -0.778,50.249 99.425,49.995 ; 37.195,-0.805 37.195,49.995 ; 58.568,67.936 58.72,81.398 ; 61.071,-0.126 61.071,50.166 ; 58.72,81.398 62.835,81.364 62.835,78.502 67.179,78.578 67.077,81.439 71.231,81.398 71.065,67.733 67.077,67.758 67.077,70.349 62.505,70.349 62.556,67.682 58.593,67.733 58.72,81.398 ; 22.805,79.163 24.176,79.137 24.151,80.712 28.088,80.687 28.113,79.137 29.485,79.137 29.409,86.097 28.113,86.097 28.139,84.42 24.354,84.42 24.329,86.122 22.805,86.122 22.805,79.163

## Silkscreen, mask and mechanical layers (free items; w line width, h text height)
Top Overlay:
  text "OUYJY  &  CRK" at 44.688,14.816 h1.52 r90
Mechanical 13:
  lines w0.254: 0,3 ccw(c2.998,3.002) 3,0.004 ; 0.004,96 cw(c3.002,96.002) 3,99 ; 96,0 ccw(c95.998,2.998) 98.996,3 ; 96,98.996 cw(c96.002,95.998) 99,96
  lines w0.762: 0,3.2 0,95.996 ; 3.004,99 95.996,99 ; 3.2,0 96,0 ; 99,3 99,95.996